# Altium PCB DK2.PcbDoc (part 1 of 5)
Units mm, origin at the board's own origin, x right, y up, seen from the top; angles counter-clockwise.
Board outline 129.5 x 68 mm, 4 copper layers (Top Layer, MidLayer1, Power, Bottom Layer), stack 0.98 mm thick; 275 components, 227 nets, 1103 pads, 1072 vias.
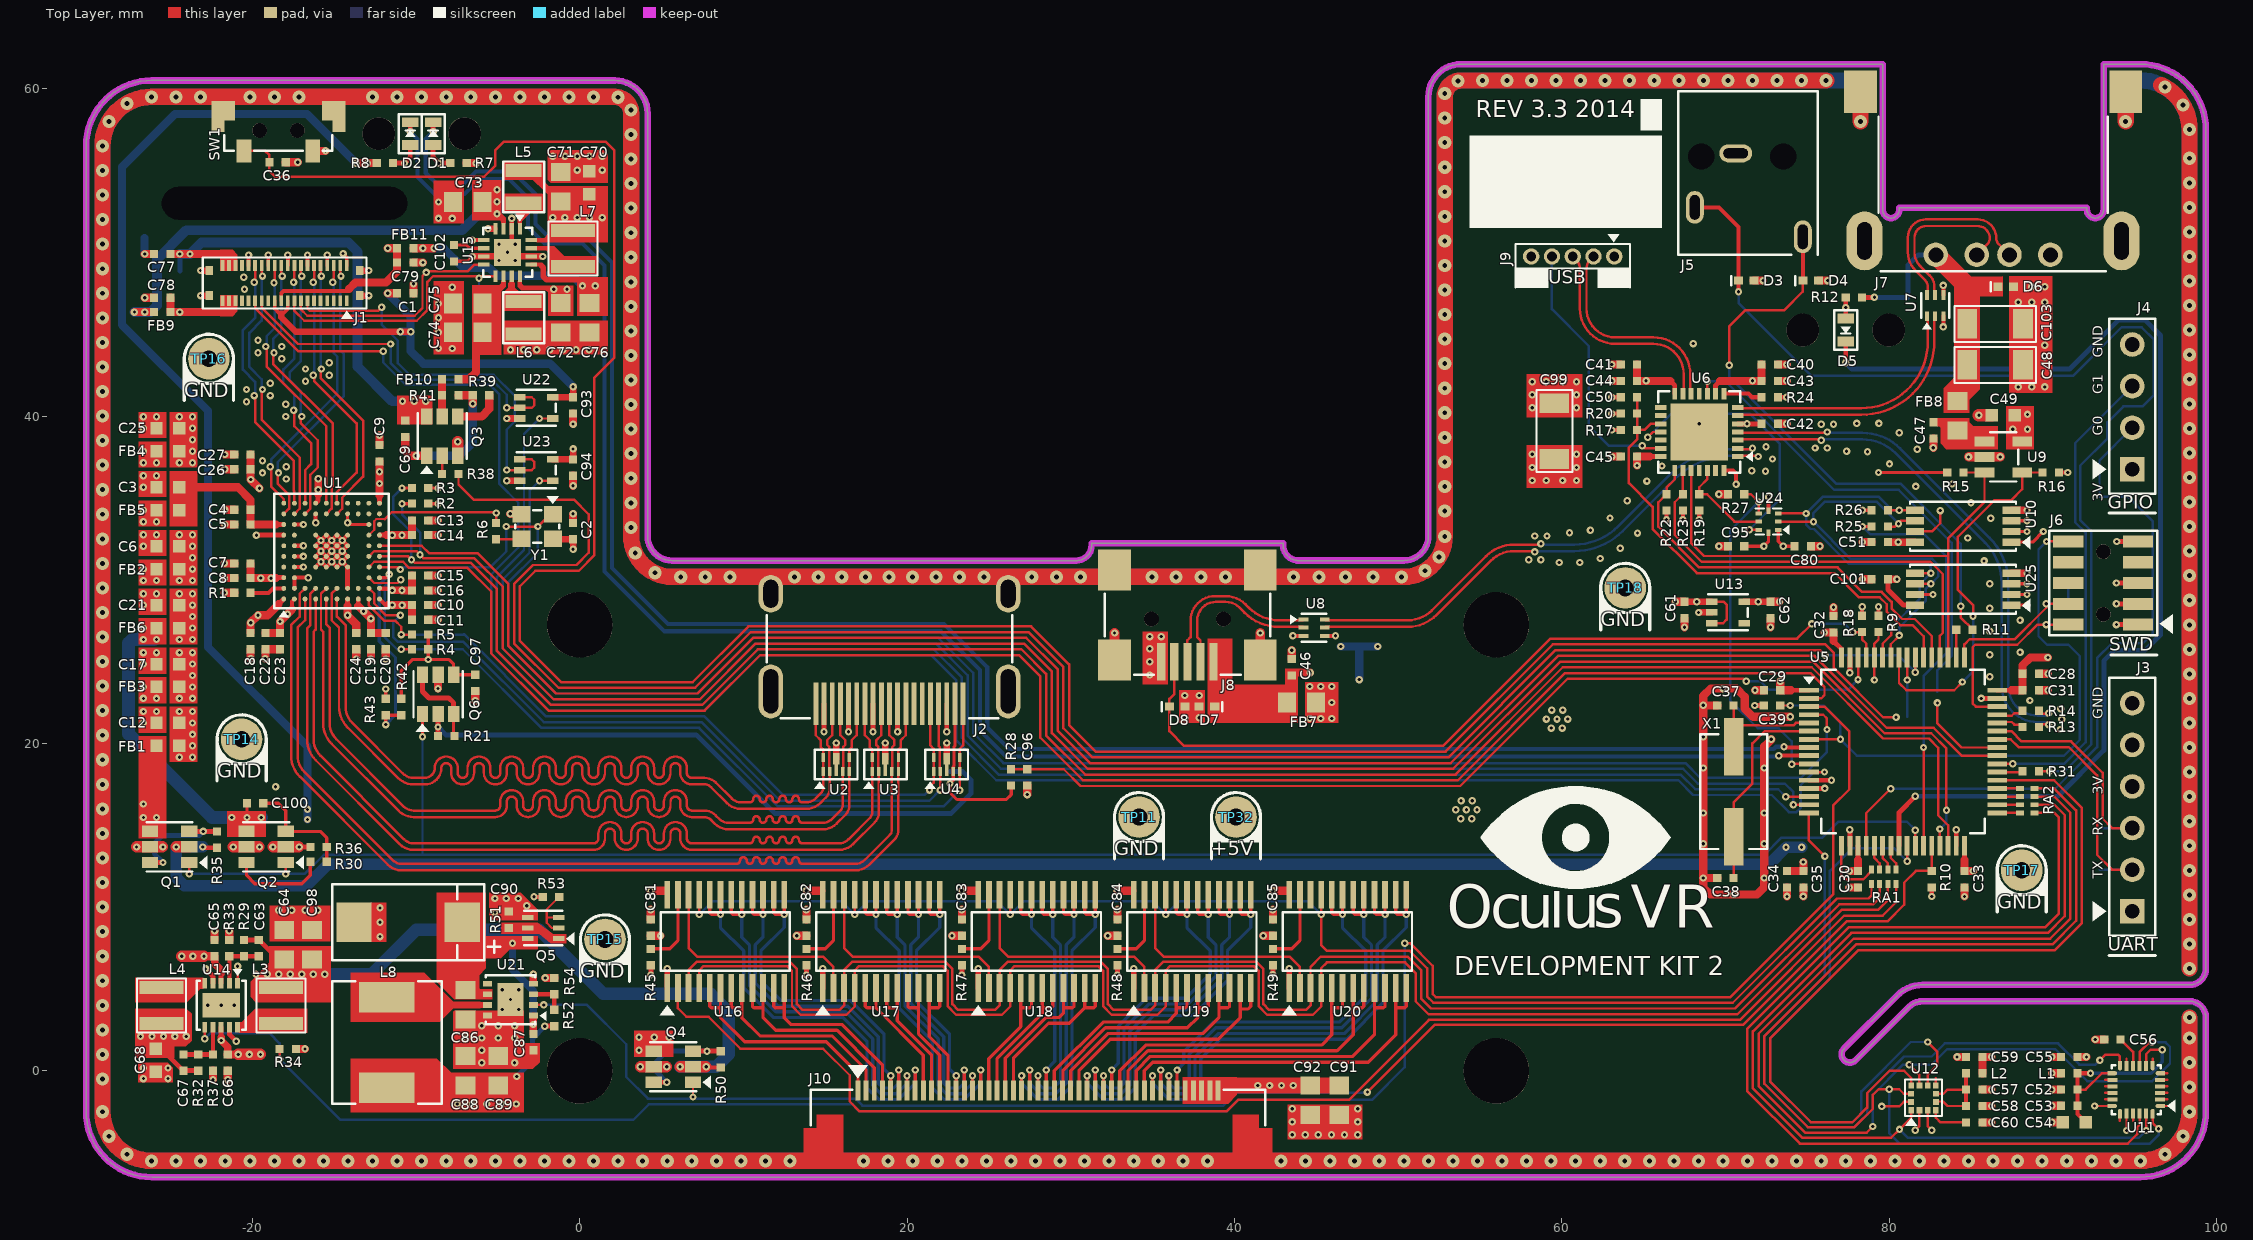
[diagram p0: Top Layer view]
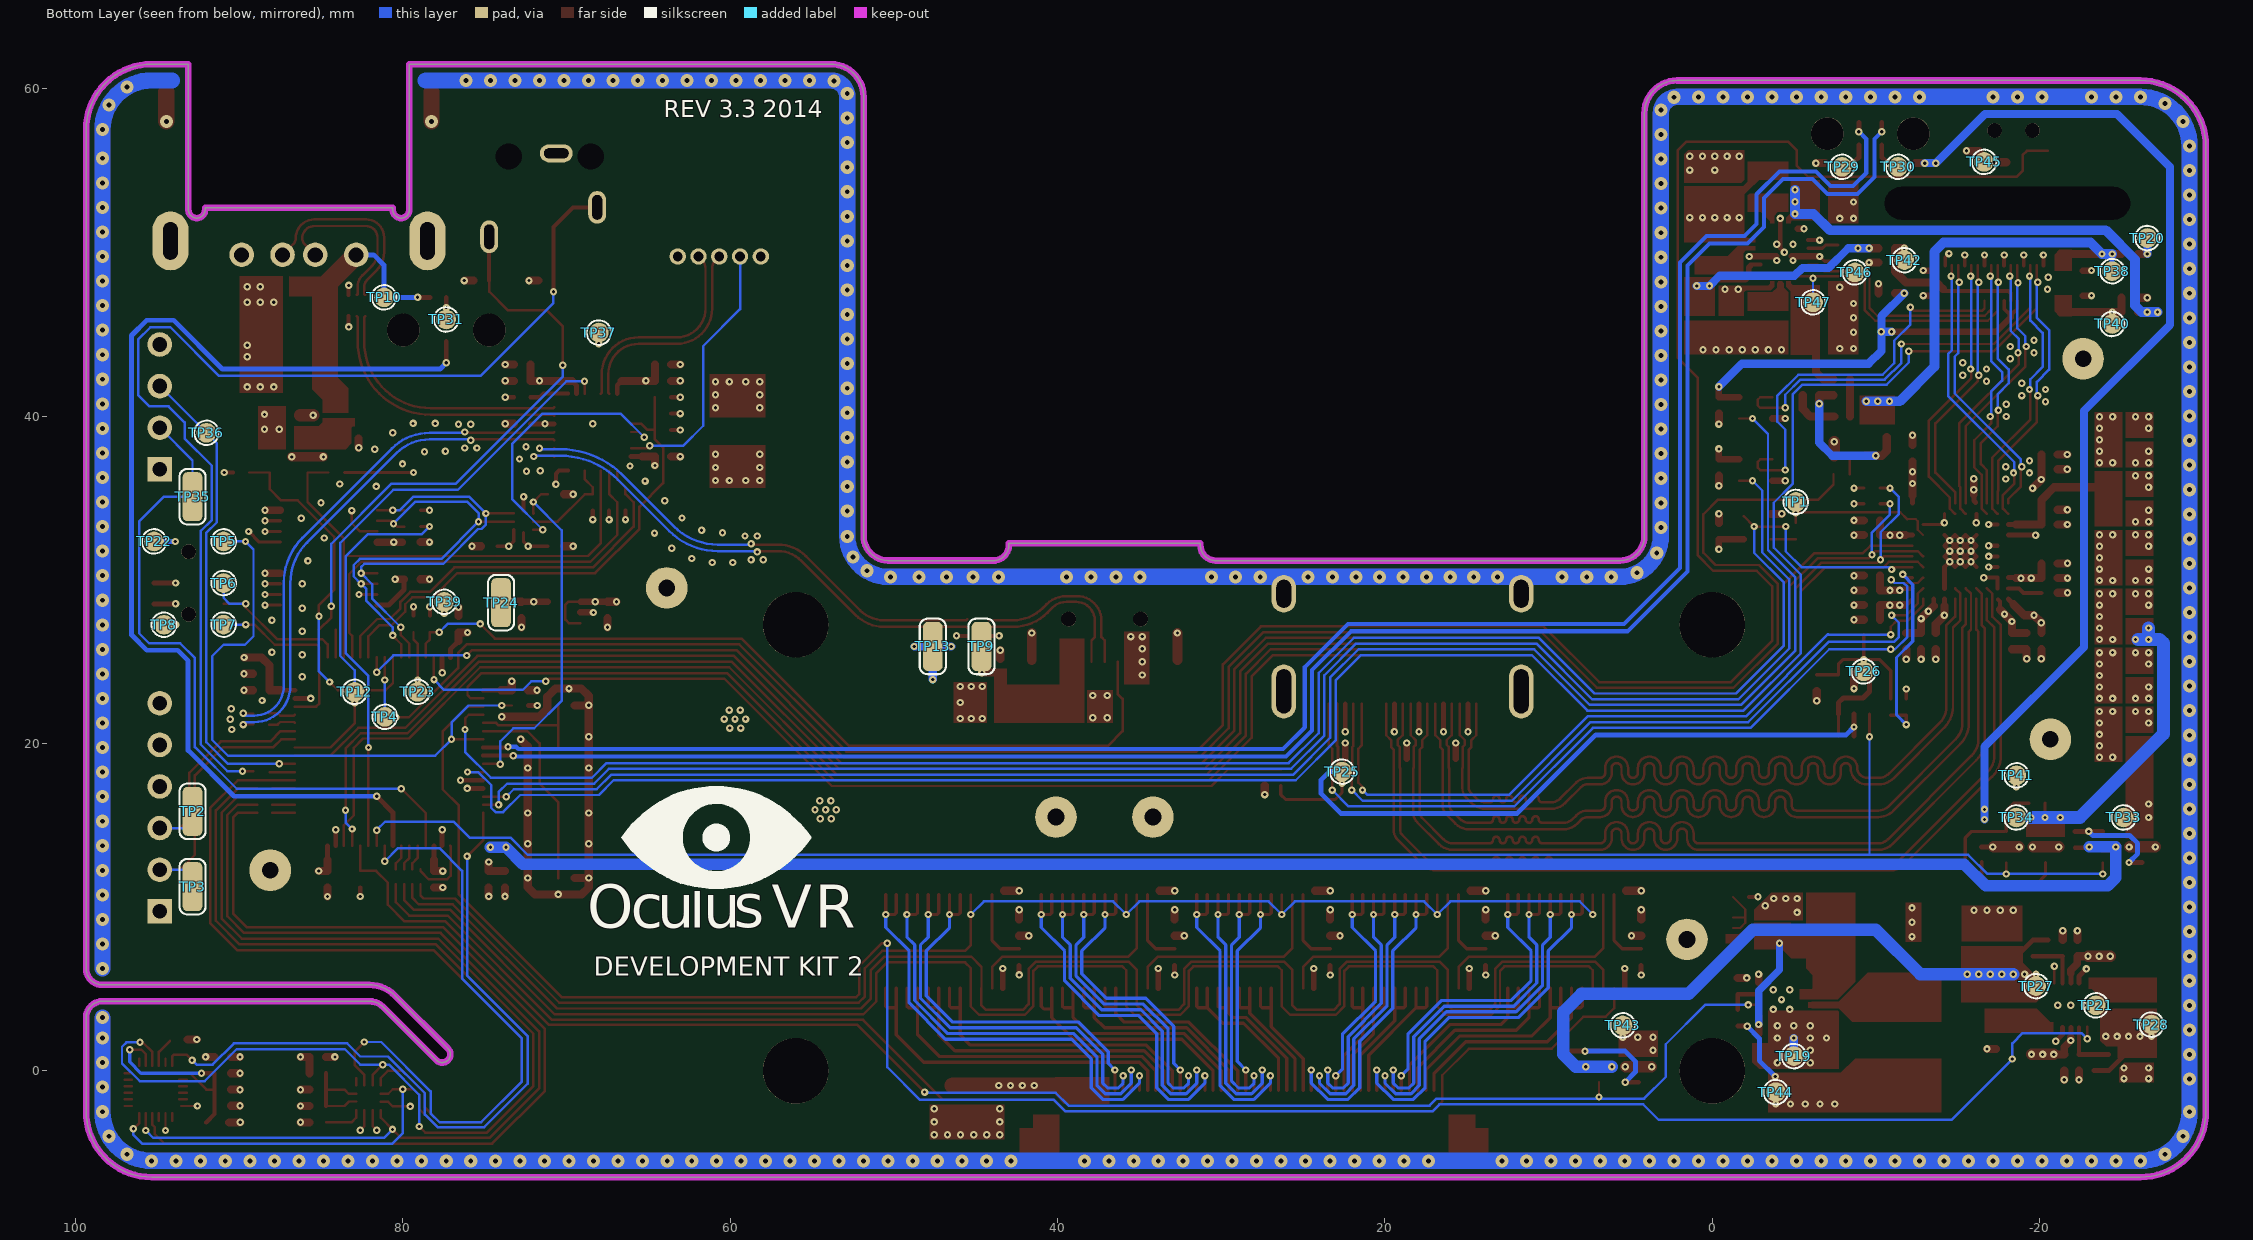
[diagram p1: Bottom Layer view, seen from below]
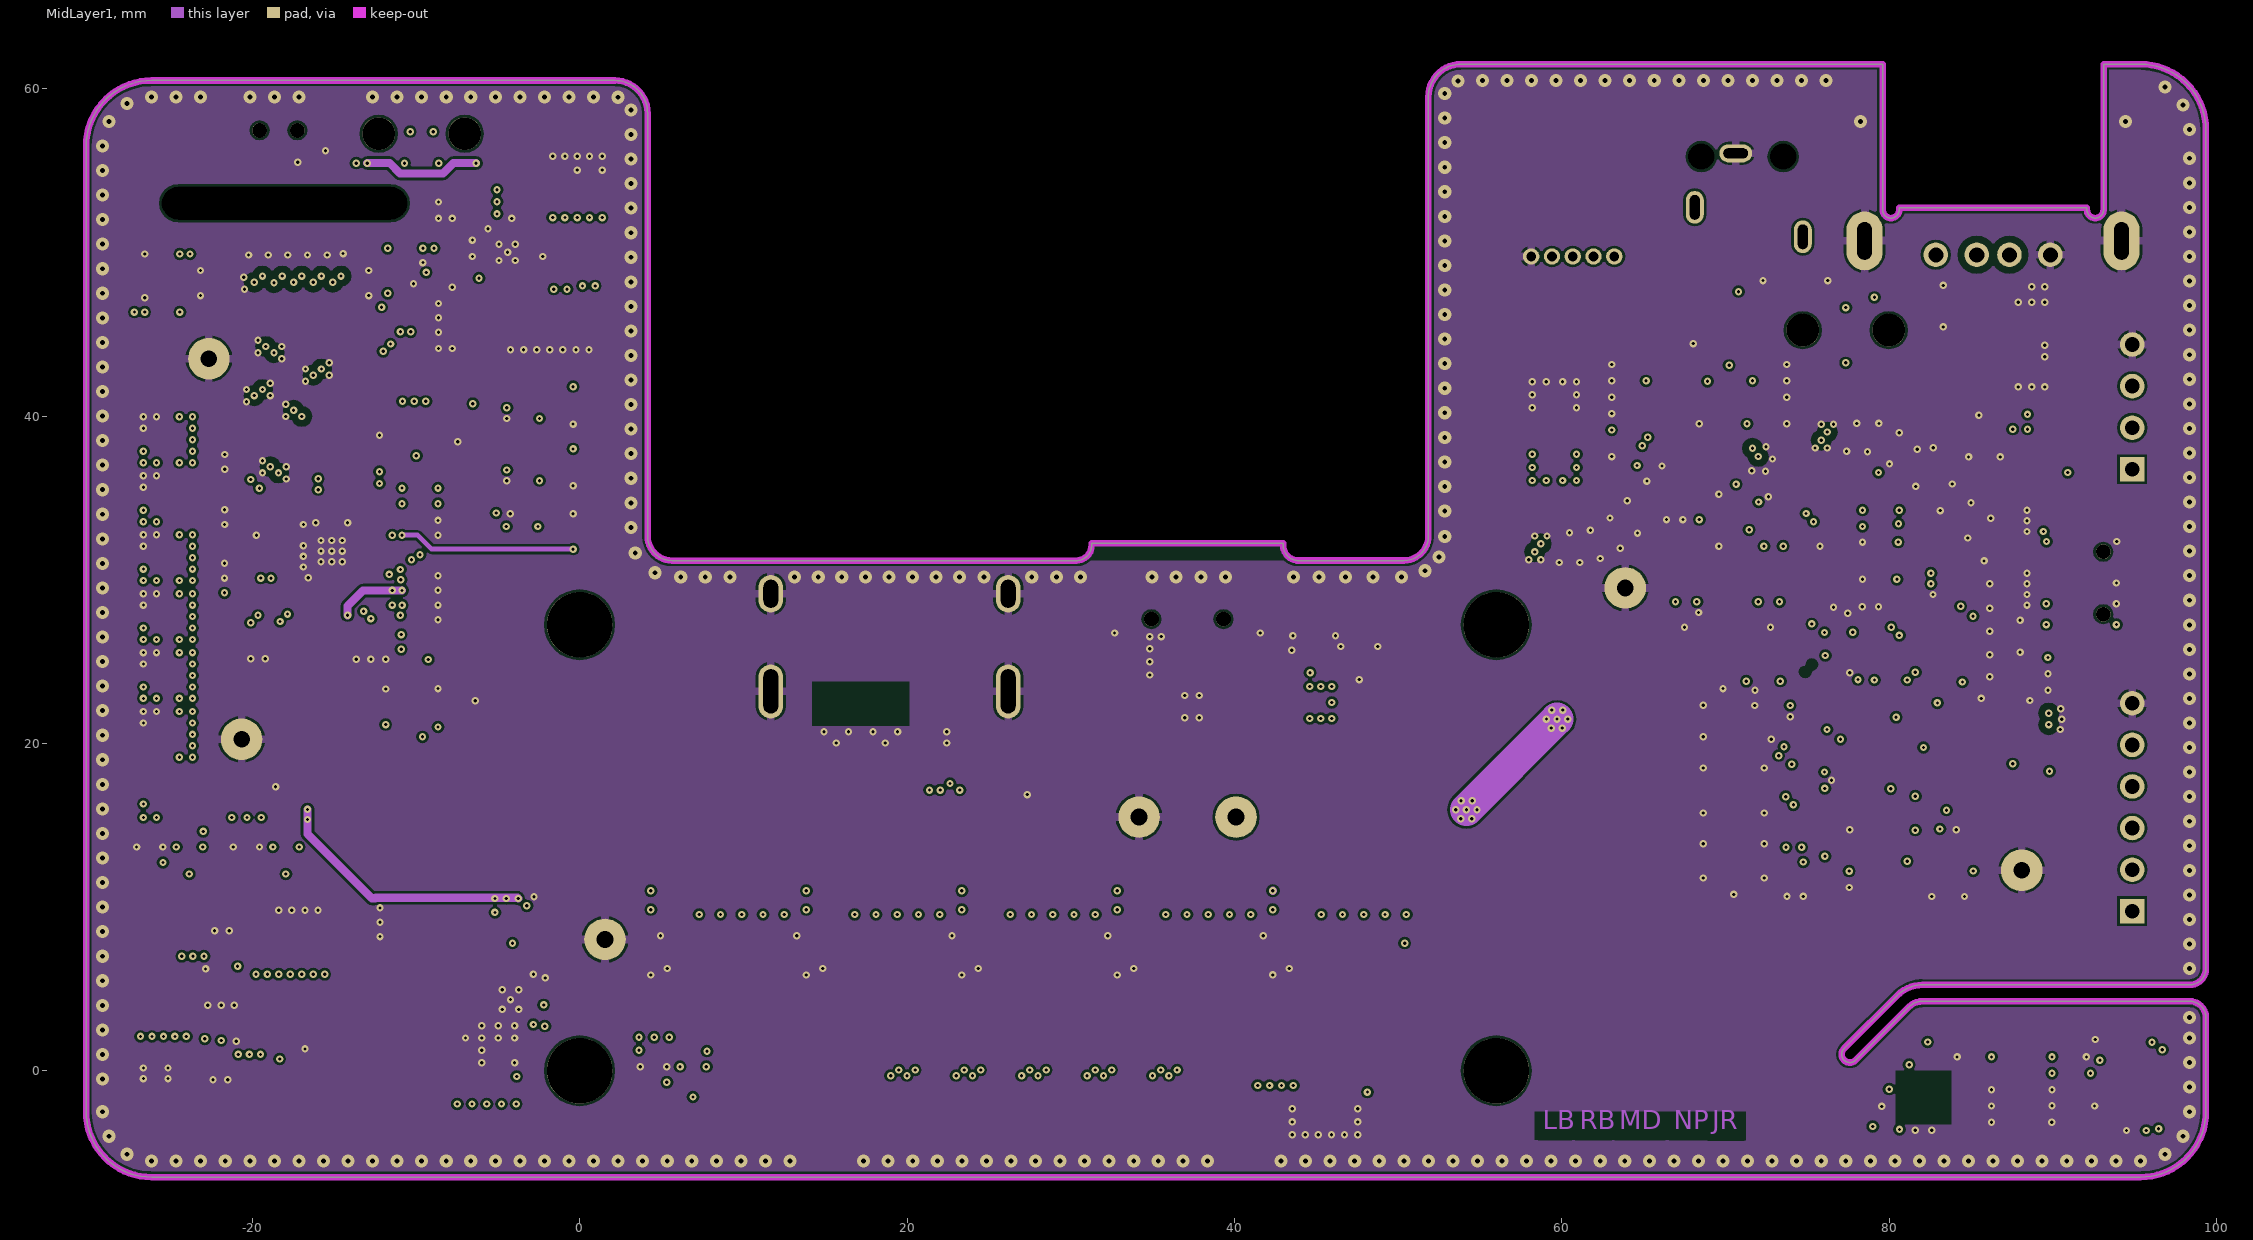
[diagram p2: MidLayer1]
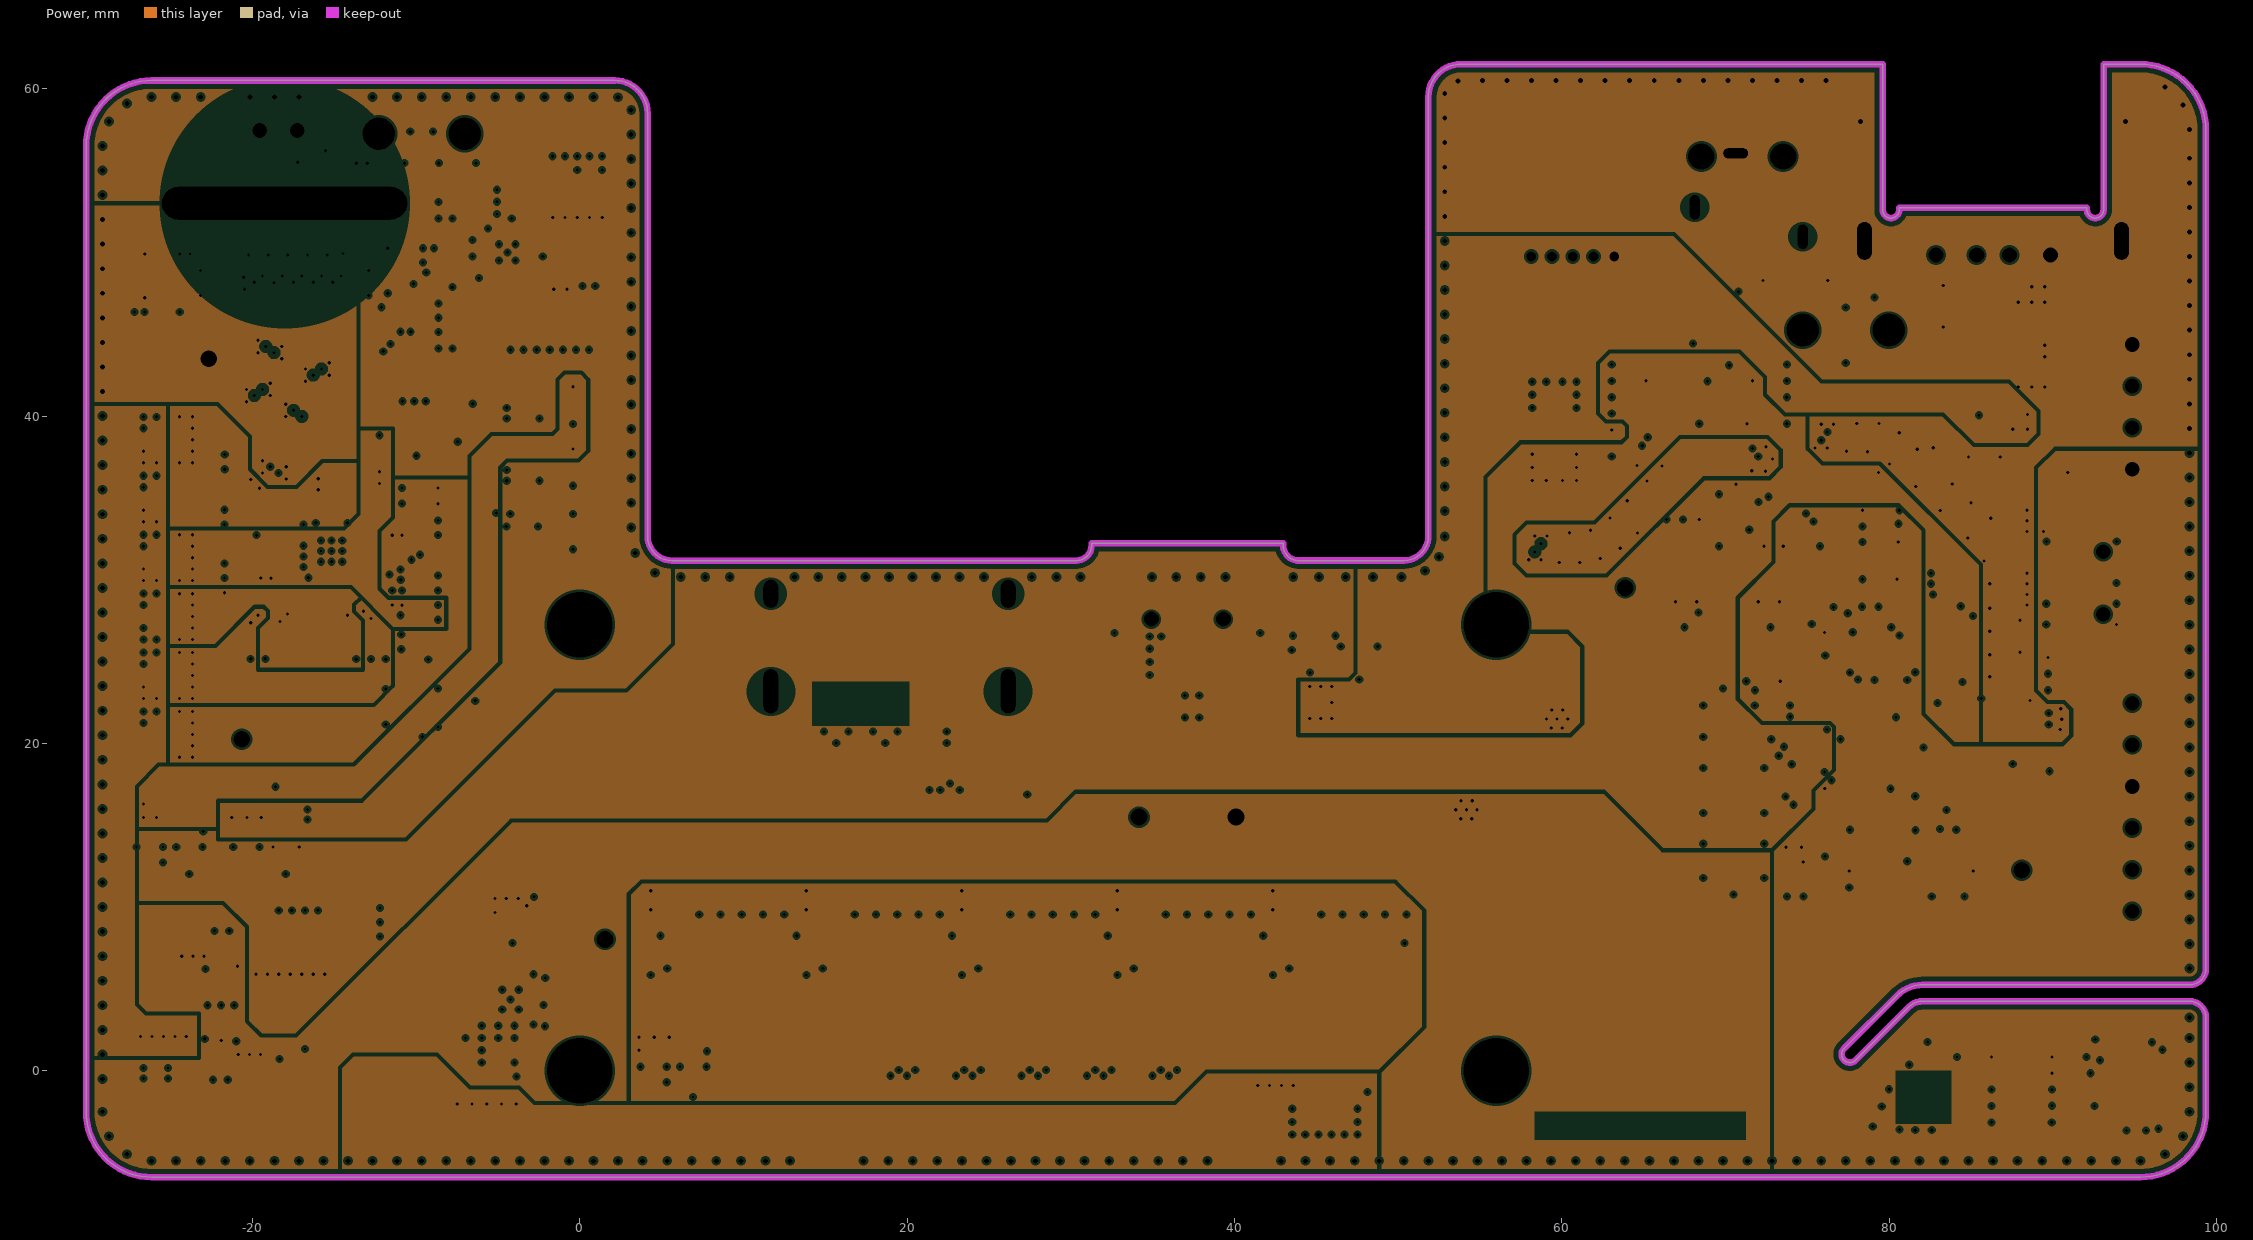
[diagram p3: Power, clearances drawn from the general rule]
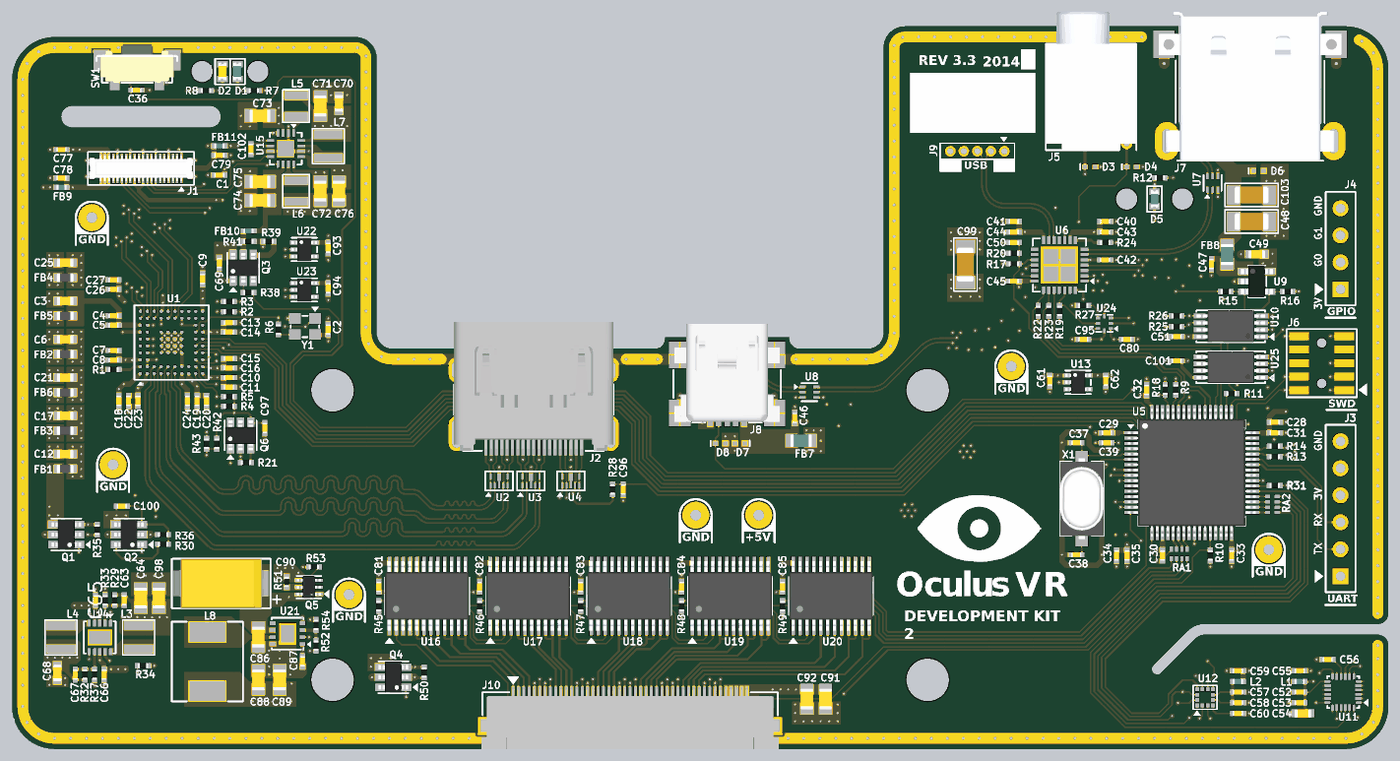
[diagram p8: 3D render of the assembled board from above, using the file's embedded part models]

## Layer stack, top to bottom
Top Layer: signal copper 0.0533
Dielectric: core 0.254, FR408HR, Dk 4.34
MidLayer1: signal copper 0.0305
Dielectric: prepreg 0.3048, FR408HR, Dk 4.06
Power: plane copper 0.0305, net (Multiple Nets)
Dielectric: core 0.254, FR-4, Dk 4.34
Bottom Layer: signal copper 0.0533

## Board outline
-26.15,-6.5 cw(c-26.15,-2.5) -30.15,-2.5 -30.15,56.5 cw(c-26.15,56.5) -26.15,60.5 2.15,60.5 cw(c2.15,58.5) 4.15,58.5 4.15,32.67 ccw(c5.65,32.67) 5.65,31.17 30.34,31.17 ccw(c30.34,32.11) 31.28,32.11 31.28,32.225 42.98,32.225 42.98,32.11 ccw(c43.92,32.11) 43.92,31.17 50.35,31.17 ccw(c50.35,32.67) 51.85,32.67 51.85,59.5 cw(c53.85,59.5) 53.85,61.5 79.6,61.5 79.6,52.6 ccw(c80.108,52.6) 80.616,52.6 80.616,52.725 92.084,52.725 92.084,52.6 ccw(c92.592,52.6) 93.1,52.6 93.1,61.5 95.35,61.5 cw(c95.35,57.5) 99.35,57.5 99.35,6.25 cw(c98.35,6.25) 98.35,5.25 82.05,5.25 ccw(c82.05,3.043) 80.489,4.604 77.243,1.357 ccw(c77.596,1.004) 77.95,0.65 81.196,3.896 cw(c82.05,3.043) 82.05,4.25 98.35,4.25 cw(c98.35,3.25) 99.35,3.25 99.35,-2.5 cw(c95.35,-2.5) 95.35,-6.5

## Design rules (kind name [scope] priority, off if disabled: settings)
Clearance "Diff Pair Clearance" [(InDifferentialPairClass('All Differential Pairs')) vs InPolygon] p1: gap=0.4
Clearance PolygonClearance [InPolygon] p2: gap=0.15
Clearance "Clearance Toshiba" [All vs InComponent('U1')] p3: gap=0.1
Clearance "Clearance Mag" [All vs InComponent('U12')] p4: gap=0.1
Clearance [All] p5: gap=0.15
ComponentClearance ComponentClearance_All [All] p1: gap=0.125 collisioncheckmode=3 verticalgap=0 showdistances=FALSE
DiffPairsRouting [All] p1: maxlimit=0.5 minlimit=0.1 mostfreqgap=0.25 maxuncoupledlength=10
FabricationTestPointUsage TestPointUsage [All] p1: valid=0 allowmultiple=FALSE
FabricationTestpoint Testpoint [All] p1: side=3 testpointundercomponent=TRUE minsize=1.016 maxsize=2.54 preferedsize=1.524 minholesize=0 maxholesize=1.016 preferedholesize=0.813 testpointgrid=0.025 allowsidetop=TRUE allowsidebottom=TRUE usegrid=TRUE gridtolerance=0
Height [All] p1: minheight=0 maxheight=5 prefheight=3
HoleSize [All] p1: absolutevalues=TRUE maxlimit=20 minlimit=0.2 maxpercent=80.000 minpercent=20.000
HoleToHoleClearance [All] p1: gap=0.25 allowstackedmicrovias=TRUE
MaxMinImpedance [(InDifferentialPairClass('All Differential Pairs'))] p1: minimum=99.00 maximum=101.0
MinimumAnnularRing [All] p1: minimumring=0.124
MinimumSolderMaskSliver [All] p1: minsoldermaskwidth=0.25
PlaneClearance [All] p1: clearance=0.15
PlaneConnect [All] p1: planeconnectstyle=Direct reliefexpansion=0.152 reliefentries=4 reliefconductorwidth=0.152 reliefairgap=0.152
PolygonConnect "PolygonConnect For Vias" [IsVia] p1: connectstyle=Direct reliefconductorwidth=0.254 reliefentries=4 polygonreliefangle="90 Angle" airgapwidth=0.254
PolygonConnect [All] p2: connectstyle=Relief reliefconductorwidth=0.5 reliefentries=4 polygonreliefangle="90 Angle" airgapwidth=0.15
RoutingCorners [All] p1: cornerstyle=45-Degree minsetback=2 maxsetback=2
RoutingVias [All] p1: holewidth=0.2 width=0.45 viastyle="Blind Buried (Adjacent Layers)" minholewidth=0.1 minwidth=0.25 maxholewidth=0.4 maxwidth=1
SilkToSilkClearance [All] p1: silktosilkclearance=0.25
SilkToSolderMaskClearance SilkscreenOverComponentPads [IsPad] p1: minsilkscreentomaskgap=0.25 clearancetoexposedcopper=TRUE
SolderMaskExpansion [All] p1: expansion=0.102
ViasUnderSMD [All] p1: allowed=TRUE
Width [All] p1: maxlimit=3 minlimit=0.13 preferedwidth=0.15
15 further rules are at their usual default settings.

## Classes and differential pairs
component class MICRO: C28 C29 C30 C31 C32 C33 C34 C35 C36 C37 C38 C39 C51 C93 C94 D1 D2 D3 D4 J3 J4 J5 J6 R7 R8 R9 R10 R11 R31 RA1 RA2 SW1 TP2 TP3 TP4 TP5 TP6 TP7 TP8 TP23 TP29 TP30 TP35 TP36 U5 U10 U22 U23 X1 Y2
component class IRLED: C81 C82 C83 C84 C85 C86 C87 C88 C89 C90 C91 C92 J10 L8 Q4 Q5 R45 R46 R47 R48 R49 R50 R51 R52 R53 R54 TP43 TP44 U16 U17 U18 U19 U20 U21
component class POWER: C61 C62 C63 C64 C65 C66 C67 C68 C69 C70 C71 C72 C73 C74 C75 C76 C77 C78 C79 C98 C99 C100 C102 FB9 FB10 FB11 L3 L4 L5 L6 L7 Q1 Q2 Q3 R29 R30 R32 R33 R34 R35 R36 R37 R38 R39 R41 TP24 TP27 TP28 TP33 TP34 TP38 TP40 TP42 TP46 TP47 U13 U14 U15
component class SENSOR: C52 C53 C54 C55 C56 C57 C58 C59 C60 L1 L2 U11 U12
component class USBHUB: .15 C40 C41 C42 C43 C44 C45 C46 C47 C48 C49 C50 C80 C95 C101 C103 D5 D6 D7 D8 FB7 FB8 J7 J8 J9 R12 R13 R14 R15 R16 R17 R18 R19 R20 R22 R23 R24 R25 R26 R27 TP9 TP10 TP11 TP12 TP13 TP14 TP15 TP16 TP17 TP18 TP19 TP20 TP21 TP22 TP31 TP32 TP37 TP39 TP41 TP45 U6 U7 U8 U9 U24 U25
component class VIDEO: C1 C2 C3 C4 C5 C6 C7 C8 C9 C10 C11 C12 C13 C14 C15 C16 C17 C18 C19 C20 C21 C22 C23 C24 C25 C26 C27 C96 C97 FB1 FB2 FB3 FB4 FB5 FB6 J1 J2 Q6 R1 R2 R3 R4 R5 R6 R21 R28 R42 R43 TP1 TP25 TP26 U1 U2 U3 U4 Y1
differential pair HDMIC: +HDMIC_P -HDMIC_N
differential pair HDMI2: +HDMI2_P -HDMI2_N
differential pair HDMI1: +HDMI1_P -HDMI1_N
differential pair HDMI0: +HDMI0_P -HDMI0_N
differential pair C_D2USBD: +C_D2USBD_P -C_D2USBD_N
differential pair C_UUSBD: +C_UUSBD_P -C_UUSBD_N
differential pair D1USBD: +D1USBD_P -D1USBD_N
differential pair D2USBD: +D2USBD_P -D2USBD_N
differential pair UUSBD: +UUSBD_P -UUSBD_N
differential pair R_D1USBD: +R_D1USBD_P -R_D1USBD_N
differential pair DSIC: +DSIC_P -DSIC_N
differential pair DSID0: +DSID0_P -DSID0_N
differential pair DSID1: +DSID1_P -DSID1_N
differential pair DSID2: +DSID2_P -DSID2_N
differential pair DSID3: +DSID3_P -DSID3_N
